# KiCad board BB3plus CM5 STM32H7 module.kicad_pcb (continued)
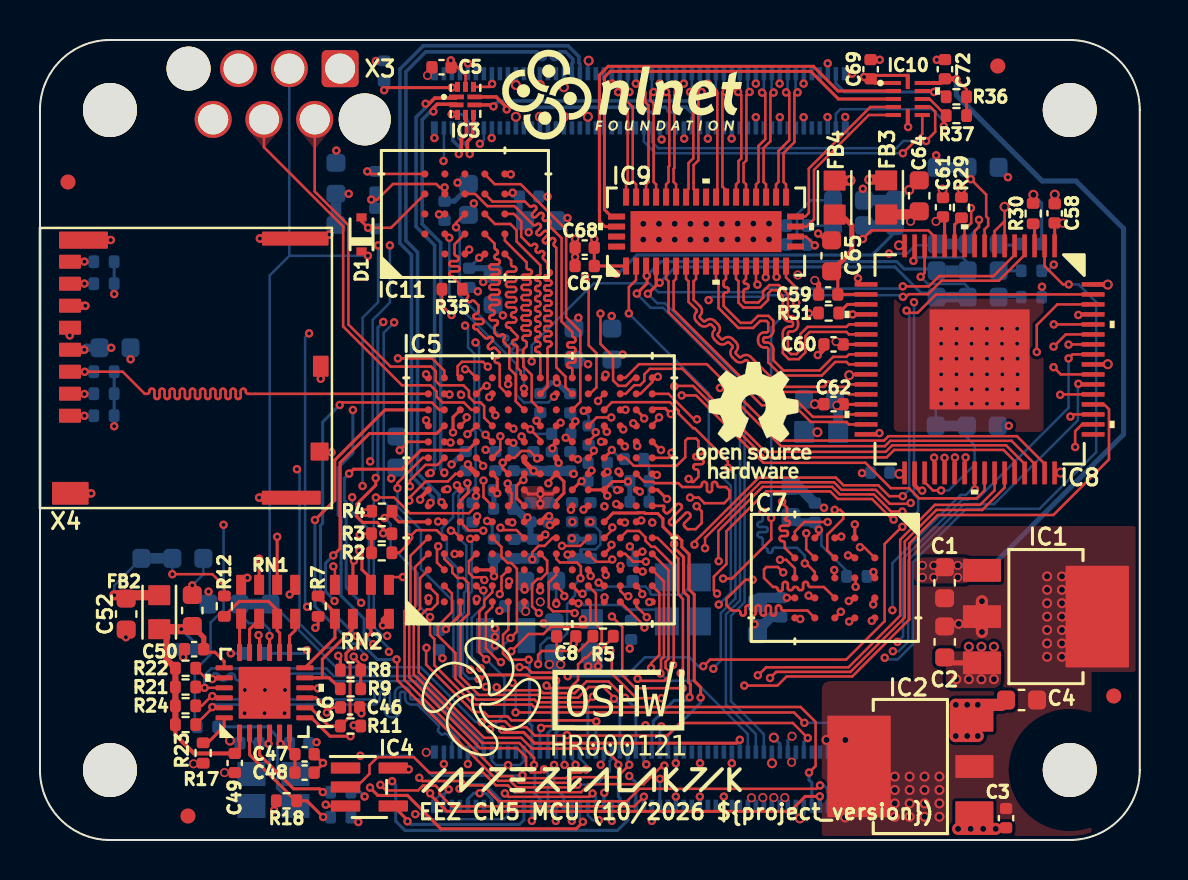
[diagram p0: board, top side]
## Routing (per net, layer and track width the routed paths; a pad name or vN(x,y) marks a point on that pad's centre or on a via; arc(x,y) is an arc through that point) (continued)
+VAUX: length 20.5
  Top w0.152: IC5.C1 21.02,11.27 v1(20.3,10.55) ; v1(23.12,5.52) 23.26,5.38 24.19,5.38 24.73,4.84 34.83,4.84 v1(35,5.01)
  In2signal.Cu w0.152: v1(23.12,5.52) 23.12,5.69 21.13,7.68 21.13,8.68 21.13,8.68 21.13,9.72 v1(20.3,10.55)
  Bottom w0.152: v1(35,5.01) 35,4.58
/CM5 socket/USB2+: length 3.7
  Top w0.178: IC3.5 21.68,35.88 21.63,35.83 21.63,35.18 21.37,34.92 21.37,34.42 v1(21.49,34.3)
  Bottom w0.178: v1(21.49,34.3) 21.37,34.42 21.37,34.67 20.95,35.09 20.95,35.34 21,35.39 X2.105
/CM5 socket/USB2-: length 3.7
  Top w0.178: v1(20.95,34.3) 21.07,34.42 21.07,35.04 21.33,35.3 21.33,35.83 21.28,35.88 IC3.4
  Bottom w0.178: v1(20.95,34.3) 21.07,34.42 21.07,34.55 20.65,34.97 20.65,35.34 20.6,35.39 X2.103
/CM5 socket/USB3_1_D+: length 12.6
  Top w0.178: v1(23.34,36.53) 23.34,36.63 22.81,37.16 IC3.7
  Bottom w0.178: 23.42,36.64 30.24,36.64 arc(30.33,36.6) 30.37,36.51 arc(30.41,36.42) 30.5,36.39 30.75,36.39 arc(30.84,36.42) 30.88,36.51 arc(30.91,36.6) 31,36.64 31.26,36.64 arc(31.35,36.6) 31.39,36.51 arc(31.42,36.42) 31.51,36.39 31.77,36.39 arc(31.86,36.42) 31.89,36.51 arc(31.93,36.6) 32.02,36.64 32.31,36.64 32.65,36.31 32.65,36.15 32.6,36.1 X2.163
/CM5 socket/USB3_1_D-: length 12.4
  Top w0.178: v1(22.68,36.68) 22.6,36.76 IC3.6
  Bottom w0.178: v1(22.68,36.68) 22.95,36.95 32.43,36.95 33,36.39 X2.165
/DVID converter, NOR Flash/TVDD: length 4.5
  Top w0.127: v1(38.46,26.33) 38.48,26.35 R31.2
  Top w0.152: C62.1 40.18,21.78 IC8.29 ; IC8.23 40.17,24.78 C60.1
  Bottom w0.508: FB5.1 39.92,21.89 C66.2
  vias: v3(39.81,24.92) v3(39.85,21.73)
/DVID converter, NOR Flash/TX0+: length 13.4
  Top w0.127: IC8.25 40.46,23.78 40.33,23.9 39.77,23.9 39.09,23.22 37.08,23.22 36.42,23.88 36.42,24.55 arc(36.4,24.6) 36.34,24.62 36.24,24.62 arc(36.01,24.72) 35.91,24.95 35.91,25.05 arc(36.01,25.29) 36.24,25.38 36.34,25.38 arc(36.4,25.41) 36.42,25.46 36.42,25.86 36.33,25.95 36.01,25.95 35.66,25.6 34.93,25.6 33.93,26.6 33.93,27.93 33.81,28.06 IC9.10
/DVID converter, NOR Flash/TX0-: length 13.3
  Top w0.127: IC9.11 34.31,28.06 34.19,27.93 34.19,27.74 arc(34.22,27.67) 34.29,27.64 34.34,27.64 arc(34.41,27.61) 34.44,27.54 34.44,27.49 arc(34.41,27.41) 34.34,27.38 34.29,27.38 arc(34.22,27.35) 34.19,27.28 34.19,26.7 35.03,25.86 35.56,25.86 35.91,26.21 36.43,26.21 36.67,25.97 36.67,25.46 arc(36.58,25.23) 36.34,25.13 36.24,25.13 arc(36.19,25.11) 36.17,25.05 36.17,24.95 arc(36.19,24.9) 36.24,24.88 36.34,24.88 arc(36.58,24.78) 36.67,24.55 36.67,23.99 37.18,23.48 38.99,23.48 39.67,24.16 40.33,24.16 40.46,24.28 IC8.24
/DVID converter, NOR Flash/TX1+: length 14
  Top w0.127: IC8.28 40.46,22.28 40.33,22.4 36.94,22.4 35.37,23.97 arc(35.31,24) 35.25,23.97 arc(35.02,23.88) 34.78,23.97 34.63,24.13 arc(34.53,24.37) 34.63,24.6 arc(34.65,24.66) 34.63,24.71 34.47,24.87 arc(34.41,24.9) 34.36,24.87 arc(34.12,24.77) 33.89,24.87 33.73,25.03 arc(33.63,25.27) 33.73,25.5 arc(33.75,25.56) 33.73,25.61 33.57,25.77 arc(33.51,25.79) 33.46,25.77 arc(33.22,25.67) 32.99,25.77 32.83,25.93 arc(32.73,26.16) 32.83,26.4 arc(32.85,26.45) 32.83,26.51 32.43,26.91 32.43,27.93 32.31,28.06 IC9.7
/DVID converter, NOR Flash/TX1-: length 14
  Top w0.127: IC9.8 32.81,28.06 32.69,27.93 32.69,27.01 33.01,26.69 arc(33.11,26.45) 33.01,26.22 arc(32.99,26.16) 33.01,26.11 33.17,25.95 arc(33.22,25.93) 33.28,25.95 arc(33.51,26.05) 33.75,25.95 33.91,25.79 arc(34,25.56) 33.91,25.32 arc(33.88,25.27) 33.91,25.21 34.07,25.05 arc(34.12,25.03) 34.18,25.05 arc(34.41,25.15) 34.65,25.05 34.81,24.89 arc(34.9,24.66) 34.81,24.42 arc(34.78,24.37) 34.81,24.31 34.96,24.15 arc(35.02,24.13) 35.07,24.15 arc(35.31,24.25) 35.55,24.15 37.04,22.66 39.2,22.66 arc(39.27,22.69) 39.3,22.76 39.3,22.81 arc(39.33,22.88) 39.4,22.91 39.46,22.91 arc(39.53,22.88) 39.56,22.81 39.56,22.76 arc(39.59,22.69) 39.66,22.66 40.33,22.66 40.46,22.78 IC8.27
/DVID converter, NOR Flash/TX2+: length 14.6
  Top w0.127: IC9.5 31.31,28.06 31.43,27.93 31.43,26.4 36.1,21.73 37.72,21.73 38.55,20.9 40.33,20.9 40.46,20.78 IC8.31
/DVID converter, NOR Flash/TX2-: length 14.1
  Top w0.127: IC9.6 31.81,28.06 31.69,27.93 31.69,26.5 36.2,21.99 37.82,21.99 38.65,21.16 40.33,21.16 40.46,21.28 IC8.30
/DVID converter, NOR Flash/TXC+: length 13.8
  Top w0.127: IC9.12 34.81,28.06 34.93,27.93 34.93,26.87 35.18,26.62 36.03,26.62 36.42,27.01 36.42,27.33 36.58,27.49 36.85,27.49 37.15,27.19 37.15,26.26 arc(37.25,26.03) 37.48,25.93 37.58,25.93 arc(37.64,25.91) 37.66,25.85 37.66,25.75 arc(37.64,25.7) 37.58,25.67 37.48,25.67 arc(37.25,25.58) 37.15,25.34 37.15,24.34 37.45,24.04 37.94,24.04 38.28,24.38 38.28,25.19 38.49,25.4 40.33,25.4 40.46,25.28 IC8.22
/DVID converter, NOR Flash/TXC-: length 13.6
  Top w0.127: 35.19,27 35.19,27.45 arc(35.22,27.52) 35.29,27.55 35.34,27.55 arc(35.41,27.58) 35.44,27.65 35.44,27.7 arc(35.41,27.78) 35.34,27.81 35.29,27.81 arc(35.22,27.84) 35.19,27.91 ; IC8.21 40.46,25.78 40.33,25.66 38.39,25.66 38.02,25.29 38.02,24.48 37.84,24.3 37.55,24.3 37.4,24.45 37.4,25.34 arc(37.43,25.4) 37.48,25.42 37.58,25.42 arc(37.82,25.52) 37.91,25.75 37.91,25.85 arc(37.82,26.09) 37.58,26.18 37.48,26.18 arc(37.43,26.2) 37.4,26.26 37.4,27.3 36.95,27.75 36.48,27.75 36.16,27.43 36.16,27.11 35.93,26.88 35.28,26.88 35.19,26.97 ; 35.19,27.93 35.31,28.06 IC9.13
/STM32H7 MCU/JTAG_SWCLK: length 20.5
  Top w0.127: IC5.D13 21.57,21.51 21.2,21.88 20.13,21.88 19.83,22.17 19.83,22.43 19.52,22.74 18.1,22.74 15.16,25.68 15.16,30.68 11.2,34.64 X3.4
/STM32H7 MCU/JTAG_SWDIO: length 21.1
  Top w0.127: IC5.E12 22.21,21.11 22.21,21.7 22.03,21.88 21.73,21.88 21.45,22.15 21.45,22.46 21.17,22.74 20.01,22.74 19.79,22.95 19.79,23.44 19.56,23.67 17.53,23.67 15.43,25.78 15.43,30.74 13.74,32.42 X3.2
/STM32H7 MCU/RCC_OSC_IN: length 5.8
  Top w0.152: IC5.K1 26.87,11.91 26.93,11.85 v1(26.93,11.83)
  Bottom w0.127: v1(26.93,11.83) 26.93,11.83 26.93,11.84 26.94,11.84 26.95,11.84 27.1,11.84 27.2,11.75 29.09,11.75 29.32,11.52 29.57,11.52 ; C6.2 29.56,11.51 29.57,11.52 ; 29.57,11.52 30.86,11.52 31.35,11.03 Y1.1
  Bottom w0.152: v1(26.93,11.83) 26.93,11.84 26.93,11.86
/STM32H7 MCU/RCC_OSC_OUT: length 7.5
  Top w0.152: v1(27.13,12.31) 27.02,12.31 IC5.K2
  Bottom w0.127: v1(27.13,12.31) 27.13,12.31 27.32,12.49 28.12,12.49 28.3,12.67 29.64,12.67 ; C7.2 29.64,12.67 ; 29.64,12.67 30.29,12.67 30.51,12.45 30.51,12.34 30.59,12.26 32.08,12.26 Y1.3
/STM32H7 MCU/VLXSMPS: length 0.5
  Top w0.152: v3(24.29,11.43) 24.22,11.5 IC5.G1
/STM32H7 MCU/~{ACTIVE}: length 31.3
  Top w0.127: IC5.R5 30.88,15.11 31.92,14.07 31.92,12.28 32.15,12.05 32.15,8.57 32.05,8.47 v1(32.05,8.34) ; IC4.2 15.82,2.65 16.48,3.31 16.48,3.74 16.88,4.14 18.7,4.14 19.48,3.36 22.17,3.36 22.8,2.73 23.4,2.73 23.74,2.39 27.06,2.39 27.46,2.79 30.19,2.79 31.18,3.78
  Top w0.152: v1(31.22,3.72) 31.18,3.76 31.18,3.78 ; IC4.2 14.77,2.65
  In2signal.Cu w0.152: v1(31.22,3.72) 31.22,4.14 31.74,4.66 31.74,8.16 31.92,8.34 v1(32.05,8.34)
BOOT0: length 35.5
  Top w0.127: v1(38.46,3.37) 38.79,3.7 38.79,5.9 38.04,6.65 24.71,6.65 24.59,6.77 21.69,6.77 19.72,8.74 19.72,10.05 19.51,10.26 v1(19.51,11.15)
  Top w0.152: v1(17.23,16.1) 17.38,16.25 17.6,16.25 17.94,15.91 IC5.A6
  Bottom w0.127: v1(17.23,16.1) 17.54,15.79 17.54,14.69 18.88,13.35 18.88,11.78 v1(19.51,11.15)
  Bottom w0.152: 38.6,1.5 38.59,1.51 ; v1(38.46,3.37) 38.46,3 38.6,2.86 X1.93
DIB1/DIB3_MISO: length 10.7
  Top w0.127: v1(25.33,7.72) 25.45,7.6 26.51,7.6 26.91,8 26.91,8.78 27.24,9.11 27.32,9.11 28.09,9.88 28.09,10.5 27.8,10.79 27.8,12.32 IC5.L2
  Bottom w0.152: v1(25.33,7.72) 25.62,7.44 25.62,5.57 25.4,5.36 25.4,4.58
DIB1/DIB3_MOSI: length 16.6
  Top w0.127: v1(32.13,7.59) 29.78,7.59 29.12,8.25 29.12,10.66 v1(28.6,11.17)
  Top w0.152: IC5.L3 27.54,13.39 v1(27.54,13.2)
  In2signal.Cu w0.127: v1(28.6,11.17) 28.6,11.21 27.55,12.26 27.55,13.19 v1(27.54,13.2)
  In2signal.Cu w0.152: v1(32.13,7.59) 32.06,7.52 32.06,6.82 32.37,6.51 32.37,3.52 31.91,3.06 v1(31,3.06)
  Bottom w0.152: 31,1.5 31,3.05 v1(31,3.06)
DIB1/DIB3_SCLK: length 40.7
  Top w0.127: v1(30.2,2.16) 29.72,1.68 20.6,1.68 19.98,2.3 19.98,2.52 19.78,2.72 19.15,2.72 18.91,2.48 17.3,2.48 v1(17.02,2.76)
  Top w0.152: v1(21.06,22.26) 21.03,22.26 21.02,22.27 IC5.C14
  In2signal.Cu w0.127: v1(21.06,22.26) 20.99,22.26 20.54,21.81 15.96,21.81 v1(15.65,21.5)
  In2signal.Cu w0.152: v1(17.02,2.76) 16.84,2.94 16.84,9.15 16.66,9.33 v1(16.66,9.79) ; v1(21.06,22.26) 21.02,22.21 20.98,22.21
  Bottom w0.152: v1(15.65,21.5) 15.65,19.35 14.91,18.61 14.91,16.27 15.06,16.12 15.06,13.84 15.06,13.84 15.06,13.52 15.06,13.52 15.06,12.21 16.21,11.06 16.21,10.36 16.21,10.36 16.21,10.25 16.66,9.8 v1(16.66,9.79) ; v1(21.06,22.26) 21.01,22.26 20.99,22.28 ; v1(30.2,2.16) 30.2,2 30.2,2 30.2,1.5
DIB2/DIB5_MISO: length 30.9
  Top w0.127: v1(27.82,5.93) 27.77,5.98 23.58,5.98 23.38,6.18 22.42,6.18 22.2,6.4 21.68,6.4 19.31,8.77 19.31,9.59
  Top w0.152: IC5.B12 19.84,20.32 16.47,20.32 15.01,18.86 15.01,14.57 v1(14.67,14.23) ; 19.31,9.59 v1(19.33,9.61)
  In2signal.Cu w0.152: v1(19.33,9.61) 19.26,9.61 17.42,11.45 15.23,11.45 v1(14.73,11.95)
  Bottom w0.152: v1(14.67,14.23) 14.28,13.85 14.28,13.36 14.28,13.36 14.28,12.42 14.73,11.97 v1(14.73,11.95) ; 27.8,4.58 27.8,5.91 v1(27.82,5.93) ; 19.31,9.59 v1(19.33,9.61)
DIB2/DIB5_MOSI: length 34.2
  Top w0.127: v1(26.88,2.76) 26.75,2.63 23.84,2.63 23.51,2.96 22.9,2.96 17.87,8 17.87,9 v1(17.83,9.03)
  Top w0.152: v1(13.75,16) 14.74,16.99 14.74,18.99 17.25,21.51 IC5.A13
  Bottom w0.127: X1.44 28.6,4.05 28.49,3.94 28.49,3.44 27.81,2.76 v1(26.88,2.76)
  Bottom w0.152: v1(13.75,16) 13.75,11.68 15.62,9.81 16.09,9.81 16.88,9.02 17.82,9.02 v1(17.83,9.03) ; 28.6,4.58 28.6,4.23
DIB2/DIB5_SCLK: length 15.6
  Top w0.127: IC5.B2 20.6,12.32 20.6,11.4 19.9,10.7 19.9,10.23 20.77,9.35 20.77,8.07 21.82,7.02 24.73,7.02 24.87,6.88 27.37,6.88 v1(27.65,7.16)
  Bottom w0.152: 27.4,4.58 27.4,6.91 v1(27.65,7.16)
DIB4_MISO: length 19.2
  Top w0.152: v1(20.85,17.74) 20.82,17.71 IC5.C8
  In2signal.Cu w0.152: v1(22.29,7.66) 22.37,7.57 22.37,7.23 25.32,4.28 26.32,4.28 26.76,3.84 26.76,3.79 v1(26.78,3.76)
  Bottom w0.127: v1(20.85,17.74) 20.85,17.47 20.66,17.28 20.66,16.15 20.1,15.58 20.1,15.35 20.35,15.1 20.35,14.13 20.9,13.57 20.9,8.28 21.54,7.64 22.28,7.64 v1(22.29,7.66) ; v1(26.78,3.76) 26.76,3.79 26.76,3.9 26.6,4.06 X1.34
DIB4_MOSI: length 19.7
  Top w0.152: v1(21.94,8.05) 22.06,8.05 22.26,8.25 24.37,8.25 24.51,8.11 25.68,8.11 v1(25.81,7.97) ; 21.42,17.83 21.42,17.37 21.02,16.97 IC5.C7
  Bottom w0.127: 21.42,17.83 21.42,17.72 20.93,17.22 20.93,15.12 21.32,14.73 21.32,12.47 21.21,12.36 21.21,11.36 21.13,11.29 21.13,8.37 21.43,8.07 21.92,8.07 v1(21.94,8.05)
  Bottom w0.152: 25.8,4.58 25.8,5.36 25.9,5.46 25.9,7.89 v1(25.81,7.97)
  vias: v1(21.37,17.85)
DIB4_SCLK: length 19.2
  Top w0.127: v1(31.66,8.76) 31.69,8.79 31.69,13.72 30.75,14.66 30.58,14.66 30.28,14.96 30.28,15.14 29.96,15.45 29.36,15.45 IC5.N5
  In2signal.Cu w0.127: v1(31.66,8.76) 31.46,8.56 31.46,5.18 30.76,4.48 30.76,3.56 28.78,1.58 28.54,1.58 v1(27.95,0.99)
  Bottom w0.127: v1(27.95,0.99) 27.64,0.99 27.4,1.23 X1.37
DIB_OE_SYNC: length 22.3
  Top w0.127: IC5.A5 18.53,14.21 18.53,11.74 18.24,11.45 18.24,8 23.05,3.19 23.62,3.19 23.95,2.86 26.42,2.86 26.7,3.14 28.86,3.14 29.5,3.78
  Top w0.152: 29.5,3.78 29.49,3.78 v1(29.47,3.76)
  Bottom w0.152: v1(29.47,3.76) 29.47,3.9 29.4,3.97 29.4,4.58
DIN2: length 45.2
  Top w0.127: v1(18.5,17.68) 18.5,17.98 19.27,18.75 19.87,18.75 IC5.B10 ; v1(39.01,2.73) 38.84,2.56 29.98,2.56 29.35,1.93 22.95,1.93 22.15,2.73 21.38,2.73 21.16,2.95 19.13,2.95 v1(18.97,3.11)
  In2signal.Cu w0.127: v1(15.61,17.14) 15.61,17.83 16.3,18.52 17.93,18.52 18.5,17.95 v1(18.5,17.68) 18.42,17.76 ; v1(18.97,3.11) 18.11,3.11 18.1,3.1 17.34,3.86 17.34,9.3 v1(17.45,9.41)
  Bottom w0.127: v1(15.61,17.14) 15.61,16.37 16.45,15.53 16.45,10.56 17,10.01 17.03,10.01 17.45,9.59 v1(17.45,9.41) ; X1.97 39.4,2.54 39.21,2.73 v1(39.01,2.73)
DVID_CEC: length 54
  Top w0.127: v1(26.39,8.19) 26.21,8.37 24.59,8.37 24.32,8.64 v1(23.98,8.64) ; v1(43.13,15.66) 43.1,15.66 42.24,14.8 42.24,10.94 40.32,9.02 33.51,9.02 33.18,8.69 v1(33.17,8.69) ; v1(23.53,10.1) 23.85,10.42 23.85,13.56 23.56,13.85 23.39,13.85 23.08,14.16 23.08,14.65 IC5.E5
  Top w0.152: v1(36.29,28.14) 36.29,28.68 IC9.15
  In2signal.Cu w0.127: v1(43.71,26.89) 43.71,27.68 42.66,28.73 36.74,28.73 36.29,28.28 v1(36.29,28.14)
  Bottom w0.127: v1(43.13,15.66) 43.92,16.45 43.92,17.07 43.71,17.28 v1(43.71,26.89) ; v1(23.53,10.1) 23.2,9.77 23.2,9.28 23.84,8.64 v1(23.98,8.64) ; v1(33.17,8.69) 32.92,8.69 32.47,9.14 30.26,9.14 29.31,8.19 v1(26.39,8.19)
DVID_HPD: length 31.7
  Top w0.127: v1(35.88,27.77) 35.81,27.84 IC9.14 ; v1(22.29,20.26) 22.29,20.23 22.61,19.91 IC5.E11
  In2signal.Cu w0.127: v1(21.78,24.87) 21.86,24.95 24.11,24.95 24.37,25.21 26.55,25.21 27.16,25.82 33.93,25.82 v1(35.88,27.77) 35.88,28.33 36.52,28.97 42.11,28.97 v1(42.46,29.32)
  Bottom w0.127: v1(42.46,29.32) 43.36,29.32 43.78,29.74 44.83,29.74 ; v1(22.29,20.26) 22.26,20.26 21.96,20.56 21.96,24.7 v1(21.78,24.87)
ETH_CLK: length 28
  Top w0.127: v1(22.18,17.97) 22.18,17.15 IC5.E7
  In2signal.Cu w0.127: v1(22.18,17.97) 21.92,18.23 21.34,18.23 21.01,18.56 21.01,19.05 20.84,19.22 20.21,19.22 19.57,19.86 16.11,19.86 12.01,15.76 v1(9.18,15.76)
  Bottom w0.127: JP3.1 7.74,5.79 7.74,8.48 8.53,9.27 8.53,10.88 8.54,10.88 9.18,11.52 v1(9.18,15.76)
ETH_CRS_DV: length 15.3
  Top w0.152: 15.65,13.07 15.65,13.91 15.7,13.96 v1(15.7,13.96) ; v1(28.58,14.76) 28.58,14.67 IC5.M4
  In2signal.Cu w0.127: v1(28.58,14.76) 27.98,14.16 26.91,14.16 26.4,13.65 24.14,13.65 23.97,13.82 23.25,13.82 23.05,14.02 22.07,14.02 21.89,13.83 21.88,13.83 21.74,13.7 20.38,13.7 20.25,13.83 15.84,13.83 v1(15.7,13.96)
ETH_MDC: length 19.3
  Top w0.127: v1(23.57,9.43) 24.44,10.3 25.18,10.3 25.54,10.66 26.99,10.66 26.99,10.65 27.31,10.65 27.53,10.87 27.53,11.8 IC5.L1
  Top w0.152: 12.76,13.07 12.76,12.55 v1(12.49,12.27)
  In2signal.Cu w0.127: v1(23.57,9.43) 23.48,9.34 22.56,9.34 20.9,11 20.19,11 19.96,10.77 19.13,10.77 18.52,11.38 18.19,11.38 17.09,12.48 12.69,12.48 v1(12.49,12.27)
  Bottom w0.152: 12.57,12.27 v1(12.49,12.27)
ETH_MDIO: length 17
  Top w0.127: RN2.4 14.75,13.6 v1(14.67,13.68) ; v1(28.62,14.03) 28.51,13.91 27.82,13.91 IC5.L4
  Top w0.152: 27.46,14.27 IC5.L4
  In2signal.Cu w0.127: v1(14.67,13.68) 14.8,13.55 20.14,13.55 20.22,13.47 21.84,13.47 21.97,13.6 21.98,13.6 22.17,13.79 22.96,13.79 23.16,13.59 23.88,13.59 24.05,13.42 26.5,13.42 26.99,13.91 28.51,13.91 v1(28.62,14.03)
ETH_REF_CLK: length 11.8
  Top w0.127: v1(19.91,15.92) 19.93,15.91 IC5.B6
  Top w0.152: v1(11.86,15.16) 11.86,15.15 11.86,15.15 11.86,12.71
  In2signal.Cu w0.127: v1(19.91,15.92) 19.85,15.98 18.04,15.98 17.27,16.75 13.44,16.75 11.86,15.17 v1(11.86,15.16)
ETH_RX_ERR: length 41.2
  Top w0.127: IC5.P15 29.7,23.11 29.3,22.71 28.93,22.71 28.66,22.98 28.66,24.17 28.03,24.8 v1(28.03,26.32) ; 13.36,9.5 v1(13.36,9.5)
  Top w0.152: v1(13.9,7.58) 13.87,7.61 IC6.10
  In2signal.Cu w0.127: v1(13.36,11.66) 13.36,9.5 ; v1(28.03,26.32) 27.86,26.49 26.55,26.49 25.6,25.53 24.1,25.53 23.87,25.3 13.49,25.3 v1(13.46,25.33)
  In2signal.Cu w0.152: v1(13.9,7.58) 13.9,8.95 v1(13.36,9.5)
  Bottom w0.127: v1(13.46,25.33) 13.26,25.13 13.26,11.76 v1(13.36,11.66)
  Bottom w0.152: v1(13.36,9.5) 13.19,9.33 R6.1
ETH_RXD0: length 13.9
  Top w0.127: v1(26.1,14.71) 27.02,14.71 IC5.L5
  Top w0.152: 16.55,13.07 16.1,13.52 16.1,14.36 16,14.46 v1(15.96,14.46) ; v1(26.1,14.71) 26.1,14.7 26.14,14.67
  In2signal.Cu w0.127: v1(26.1,14.71) 24.37,14.71 23.91,14.25 21.98,14.25 21.79,14.06 21.78,14.06 21.65,13.93 20.51,13.93 20.33,14.11 16.35,14.11 16,14.46 v1(15.96,14.46)
ETH_RXD1: length 12.3
  Top w0.127: v1(29.03,13.7) 29.02,13.69 IC5.N3 ; 17.45,13.07 17.53,13.15 v1(18.15,13.15)
  In2signal.Cu w0.127: v1(18.15,13.15) 18.24,13.24 21.93,13.24 22.07,13.38 22.08,13.38 22.26,13.56 22.86,13.56 23.06,13.36 23.78,13.36 23.95,13.19 26.59,13.19 27.02,13.62 28.95,13.62 v1(29.03,13.7)
ETH_TX_EN: length 17.2
  Top w0.127: v1(22.99,12.3) 22.99,12.3 22.98,12.29 22.98,12.29 22.97,12.29 22.95,12.29 22.95,12.28 22.94,12.28 22.94,12.29 23.08,12.42 23.08,12.85 23.08,12.86 23.08,13.17 IC5.F3
  Top w0.152: 23.02,12.29 22.95,12.29 22.94,12.29 22.94,12.28 22.95,12.28 22.96,12.29 22.96,12.29 22.97,12.29 22.98,12.29 22.98,12.29 22.98,12.29 22.99,12.3 v1(22.99,12.3) ; IC6.16 10.98,10.19 v1(10.93,10.24)
  In2signal.Cu w0.152: v1(22.99,12.3) 22.65,12.3 21.98,11.62 18.29,11.62 17.13,12.78 12.14,12.78 11.05,11.69 11.05,10.37 v1(10.93,10.24)
ETH_TXD0: length 15.7
  Top w0.127: IC5.G5 23.83,15.5 23.15,15.5 v1(23.03,15.62)
  Top w0.152: v1(10.96,14.06) 10.96,13.07
  In2signal.Cu w0.127: v1(10.96,14.06) 10.97,14.07 11.94,14.07 12.76,14.88 16.44,14.88 16.68,14.64 19.27,14.64 19.7,15.07 20.98,15.07 21.37,15.46 21.68,15.46 21.8,15.34 21.8,15.31 22.02,15.09 22.55,15.09 23.03,15.57 v1(23.03,15.62)
ETH_TXD1: length 14.3
  Top w0.127: IC5.D4 21.45,13.94 21.45,13.35 21.67,13.14 22.08,13.14 v1(22.22,13)
  In2signal.Cu w0.127: v1(22.22,13) 20.71,13 20.42,12.71 17.96,12.71 17.37,13.3 10.56,13.3 v1(10.37,13.11)
ETH_TXRX_A+: length 18.2
  Top w0.127: IC6.21 v1(8.23,7.61) 8.19,7.65 R21.2
  Bottom w0.127: X1.12 22.2,4.61 22.13,4.68 22.13,4.95 18.88,8.2 14.69,8.2 14.31,8.58 8.56,8.58 8.22,8.23 8.22,7.62 v1(8.23,7.61)
ETH_TXRX_A-: length 18.5
  Top w0.127: IC6.20 9.15,8.05 v1(8.62,8.05) 8.33,8.05 R22.2
  Bottom w0.127: X1.10 21.8,4.61 21.87,4.68 21.87,4.85 18.78,7.94 14.59,7.94 14.21,8.32 11.05,8.32 arc(10.94,8.28) 10.89,8.17 10.89,8.13 arc(10.85,8.02) 10.74,7.98 10.67,7.98 arc(10.56,8.02) 10.51,8.13 10.51,8.17 arc(10.47,8.28) 10.36,8.32 10.29,8.32 arc(10.18,8.28) 10.13,8.17 10.13,8.13 arc(10.09,8.02) 9.98,7.98 9.9,7.98 arc(9.8,8.02) 9.75,8.13 9.75,8.17 arc(9.71,8.28) 9.6,8.32 9.52,8.32 arc(9.42,8.28) 9.37,8.17 9.37,8.13 arc(9.33,8.02) 9.22,7.98 9.14,7.98 arc(9.03,8.02) 8.99,8.13 8.99,8.17 arc(8.95,8.28) 8.84,8.32 8.7,8.32 8.62,8.24 v1(8.62,8.05) 8.66,8.09 8.72,8.09
ETH_TXRX_B+: length 18.1
  Top w0.127: R23.2 8.62,6.6 v1(8.62,6.65)
  Bottom w0.127: X1.4 20.6,4.89 20.67,4.96 20.67,4.98 20.35,5.3 arc(20.27,5.33) 20.2,5.3 arc(20.12,5.27) 20.04,5.3 19.93,5.42 arc(19.9,5.49) 19.93,5.57 arc(19.96,5.65) 19.93,5.72 18.88,6.77 18.59,6.77 arc(18.36,6.87) 18.26,7.1 18.26,7.33 arc(18.24,7.39) 18.18,7.41 18.08,7.41 arc(18.03,7.39) 18.01,7.33 18.01,6.47 arc(17.91,6.23) 17.68,6.14 17.57,6.14 arc(17.34,6.23) 17.24,6.47 17.24,7.33 arc(17.22,7.39) 17.17,7.41 17.07,7.41 arc(17.01,7.39) 16.99,7.33 16.99,7.1 arc(16.89,6.87) 16.66,6.77 8.75,6.77 v1(8.62,6.65) ; 8.62,6.7 v1(8.62,6.65) ; v1(8.62,6.65) 8.62,6.6
ETH_TXRX_B-: length 18.1
  Top w0.127: R24.1 8.09,6.71 8.57,7.19 v1(8.62,7.19)
  Bottom w0.127: 8.62,7.14 v1(8.62,7.19) 8.79,7.03 16.66,7.03 arc(16.71,7.05) 16.74,7.1 16.74,7.33 arc(16.83,7.57) 17.07,7.66 17.17,7.66 arc(17.4,7.57) 17.5,7.33 17.5,6.47 arc(17.52,6.41) 17.57,6.39 17.68,6.39 arc(17.73,6.41) 17.75,6.47 17.75,7.33 arc(17.85,7.57) 18.08,7.66 18.18,7.66 arc(18.42,7.57) 18.51,7.33 18.51,7.1 arc(18.54,7.05) 18.59,7.03 18.98,7.03 20.93,5.08 20.93,4.96 21,4.89 X1.6
GPIO_VREF: length 11.8
  Top w0.127: IC5.R3 31.2,12.92 31.2,9.16 31.06,9.01 31.06,8.36 v1(31.03,8.33)
  Bottom w0.127: 35.4,4.58 35.4,5.29 32.73,7.96 31.4,7.96 v1(31.03,8.33)
LTDC_B0: length 36.8
  Top w0.127: 28.23,15.11 IC5.M5 28.62,15.51 v1(28.62,15.63) ; v1(43.15,17.19) 43.15,17.19 42.47,17.19 41.92,17.74 41.7,17.74 41.7,17.74 40.18,17.74 39.8,18.12 35.95,18.12 32.73,14.9 v1(32.73,14.77) ; IC8.63 44.81,27.28 43.89,26.36 43.44,26.36 v1(43.33,26.47)
  Top w0.152: 43.35,26.47 v1(43.33,26.47)
  In2signal.Cu w0.127: v1(32.73,14.77) 32.28,14.77 31.87,15.18 31.56,15.18 31.4,15.02 30.28,15.02 29.93,15.37 28.87,15.37 v1(28.62,15.63)
  Bottom w0.127: v1(43.33,26.47) 43.47,26.33 43.47,17.51 43.16,17.19 v1(43.15,17.19)
LTDC_B1: length 38.5
  Top w0.127: v1(19.31,20.99) 19.31,20.82 IC5.A12 ; v1(49.85,24.4) 49.85,25.75 50.88,26.78 IC8.62
  In2signal.Cu w0.127: v1(49.85,24.4) 49.81,24.44 43.82,24.44 43.34,23.96 39.72,23.96 38.77,24.9 27.54,24.9 26.5,23.86 25.63,23.86 24.88,23.11 24.88,22.3 23.14,20.56 22.52,20.56 22.38,20.71 21.22,20.71 20.95,20.98 19.31,20.98 v1(19.31,20.99)
LTDC_B2: length 33.2
  Top w0.127: IC5.N4 29.27,14.31 29.66,13.92 v1(30.3,13.92) ; v1(43.13,16.42) 42.56,16.42 41.7,17.28 41.52,17.28 41.51,17.28 39.99,17.28 39.61,17.66 36.14,17.66 33.92,15.45 33.92,13.96 v1(33.94,13.94)
  In2signal.Cu w0.127: v1(30.3,13.92) 30.35,13.97 33.91,13.97 v1(33.94,13.94) ; v1(51.93,26.25) 51.93,23.65 51.46,23.18 51.46,21.63 51.15,21.33 51.15,20.27 47.6,16.71 44.01,16.71 43.72,16.42 v1(43.13,16.42)
LTDC_B3: length 33.8
  Top w0.127: IC5.C15 20.88,23.24 20.88,23.69 21.1,23.91 22.16,23.91 v1(22.4,23.67) ; IC8.60 v1(50.7,25.78)
  In2signal.Cu w0.127: v1(22.4,23.67) 22.65,23.92 23.4,23.92 24.46,24.98 26.64,24.98 27.25,25.59 43.49,25.59 44.08,26.17 50.31,26.17 v1(50.7,25.78)
LTDC_B4: length 34.1
  Top w0.127: IC5.E13 22.77,21.35 v1(22.77,21.24) ; IC8.59 51.3,25.28 v1(50.69,24.67)
  In2signal.Cu w0.127: v1(50.69,24.67) 50.36,24.67 49.84,25.19 44.12,25.19 43.16,24.23 39.78,24.23 39.38,24.63 39.38,24.63 38.88,25.13 27.44,25.13 26.83,24.52 24.65,24.52 24.21,24.09 24.21,23.29 23.81,22.88 23.81,21.95 23.09,21.24 v1(22.77,21.24)
LTDC_B5: length 32.8
  Top w0.127: v1(51.44,24.77) 51.45,24.78 IC8.58 ; IC5.D14 22.22,22.71 v1(22.34,22.71)
  In2signal.Cu w0.127: v1(22.34,22.71) 22.51,22.71 24.55,24.75 26.74,24.75 27.35,25.36 43.61,25.36 44.19,25.94 49.63,25.94 50.4,25.17 51.04,25.17 v1(51.44,24.77)
LTDC_B6: length 32.2
  Top w0.127: v1(23.68,20.57) 23.64,20.53 23.6,20.53 IC5.F12 ; v1(50.69,23.64) 51.05,23.28 IC8.55
  In2signal.Cu w0.127: v1(23.68,20.57) 23.68,20.75 25.11,22.17 25.11,23.01 25.7,23.61 26.57,23.61 27.63,24.67 37.64,24.67 38.63,23.68 50.65,23.68 v1(50.69,23.64)
LTDC_B7: length 33.4
  Top w0.127: v1(51.93,22.81) 51.96,22.78 IC8.54 ; v1(30.35,11.14) 30.35,11.16 29.82,11.69 IC5.P1
  In2signal.Cu w0.127: v1(30.35,11.14) 30.38,11.18 33.59,11.18 35.63,9.14 41.61,9.14 42.01,9.54 42.55,9.54 v1(42.65,9.44)
  Bottom w0.127: v1(51.93,22.81) 51.91,22.79 51.91,20.99 47.72,16.8 46.22,16.8 43.42,13.99 43.42,13.72 43.42,13.72 43.42,9.91 42.95,9.44 v1(42.65,9.44)
LTDC_CLK: length 35
  Top w0.127: IC5.N2 29.02,12.46 29.03,12.45 29.29,12.19 v1(29.42,12.19) ; v1(51.44,24.08) 51.64,24.28 IC8.57
  In2signal.Cu w0.127: v1(29.42,12.19) 29.54,12.19 30.21,11.51 33.62,11.51 35.74,9.39 41.51,9.39 42.02,9.91 v1(42.88,9.91)
  Bottom w0.127: v1(51.44,24.08) 51.44,21.61 46.89,17.06 46.44,17.06 46.4,17.02 46.13,17.02 43.16,14.06 43.16,10.19 v1(42.88,9.91)
LTDC_DE: length 43.8
  Top w0.127: IC8.2 50.24,28.7 51.16,27.78 v1(51.45,27.78) ; v1(30.23,10.63) 30.23,10.7 IC5.N1
  In2signal.Cu w0.127: v1(30.23,10.63) 30.3,10.7 33.71,10.7 35.52,8.89 42.02,8.89 v1(42.25,9.11)
  Bottom w0.127: v1(42.25,9.11) 42.29,9.11 42.37,9.03 42.89,9.03 43.65,9.79 43.65,13.89 46.32,16.56 49.99,16.56 52.82,19.39 52.82,26.9 51.94,27.78 v1(51.45,27.78)
LTDC_G0: length 28.5
  Top w0.127: v1(30.12,14.42) 30.12,14.36 30.07,14.31 IC5.P4 ; v1(43.54,16.85) 43.5,16.81 42.5,16.81 41.8,17.51 41.61,17.51 41.61,17.51 40.09,17.51 39.71,17.89 36.04,17.89 33.26,15.11 v1(33.26,14.59) ; v1(51.02,22.26) 51.04,22.28 IC8.53
  In2signal.Cu w0.127: v1(43.54,16.85) 43.65,16.96 47.52,16.96 50.93,20.36 50.93,22.17 v1(51.02,22.26) ; v1(30.12,14.42) 30.2,14.34 33.01,14.34 v1(33.26,14.59)
LTDC_G1: length 43
  Top w0.127: v1(35.22,7.72) 36.88,7.72 37.34,8.18 40.62,8.18 43.48,11.03 43.48,14.83 44.9,16.25 50.68,16.25 53.46,19.03 53.46,21.54 53.24,21.76 ; v1(23.46,12.94) 23.45,12.94 23.42,12.91 IC5.F2 ; 52.65,21.76 IC8.52
  In2signal.Cu w0.127: v1(23.46,12.94) 23.79,12.61 23.79,11.33 25.94,9.18 28.27,9.18 28.37,9.08 28.68,9.08 28.77,9.18 33.76,9.18 v1(35.22,7.72)
LTDC_G2: length 32.4
  Top w0.127: v1(33.86,12.32) 33.7,12.48 33.7,13.17 34.33,13.8 34.33,15.44 36.32,17.43 39.52,17.43 39.9,17.05 41.61,17.05 42.64,16.02 v1(42.69,16.02) ; IC8.51 51.64,21.28 v1(51.53,21.17) ; IC5.M2 28.04,12.89 27.95,12.89 27.94,12.88 v1(27.94,12.87)
  In2signal.Cu w0.127: v1(42.69,16.02) 42.71,16.04 43.66,16.04 44.1,16.48 47.69,16.48 51.53,20.32 v1(51.53,21.17) ; v1(33.86,12.32) 33.38,12.8 28.01,12.8 v1(27.94,12.87)
LTDC_G3: length 35
  Top w0.127: IC5.M1 28.23,11.92 v1(28.23,12.14) ; IC8.50 52.11,20.78 51.77,20.44 v1(51.77,19.65)
  In2signal.Cu w0.127: v1(51.77,19.65) 51.76,19.64 51.23,19.64 47.58,15.99 44.03,15.99 43.26,15.22 43.26,9.46 42.43,8.63 35.41,8.63 33.79,10.25 30.06,10.25 28.23,12.08 v1(28.23,12.14)
LTDC_G4: length 24.2
  Top w0.127: IC8.47 50.24,18.81 48.86,20.19 42.43,20.19 42.21,19.97 37.17,19.97 33.35,23.79 29.95,23.79 29.27,23.11 IC5.N15
LTDC_G5: length 25.6
  Top w0.127: v1(34.01,22.6) 34.15,22.6 37.07,19.69 42.25,19.69 42.52,19.96 48.59,19.96 49.74,18.81 IC8.46 49.68,18.41 ; IC5.L12 27.84,21.13 v1(28.57,21.13)
  In2signal.Cu w0.127: v1(28.57,21.13) 28.58,21.13 29.44,21.13 29.98,21.68 31.7,21.68 31.83,21.55 32.43,21.55 33.48,22.6 v1(34.01,22.6)
LTDC_G6: length 23.6
  Top w0.127: IC8.45 49.24,18.81 48.32,19.73 42.62,19.73 42.3,19.41 36.28,19.41 32.13,23.56 30.5,23.56 30.22,23.28 30.22,22.95 30.01,22.74 29.72,22.74 29.29,22.31 IC5.N14
LTDC_G7: length 24.1
  Top w0.127: v1(31.72,22.68) 31.74,22.7 32.66,22.7 36.23,19.13 42.34,19.13 42.71,19.5 48.19,19.5 48.74,18.95 IC8.44 ; IC5.M14 27.91,22 v1(27.91,21.95)